# Allegro board OE19_pdb_1v01_b_0704_1000_customer.brd (continued)
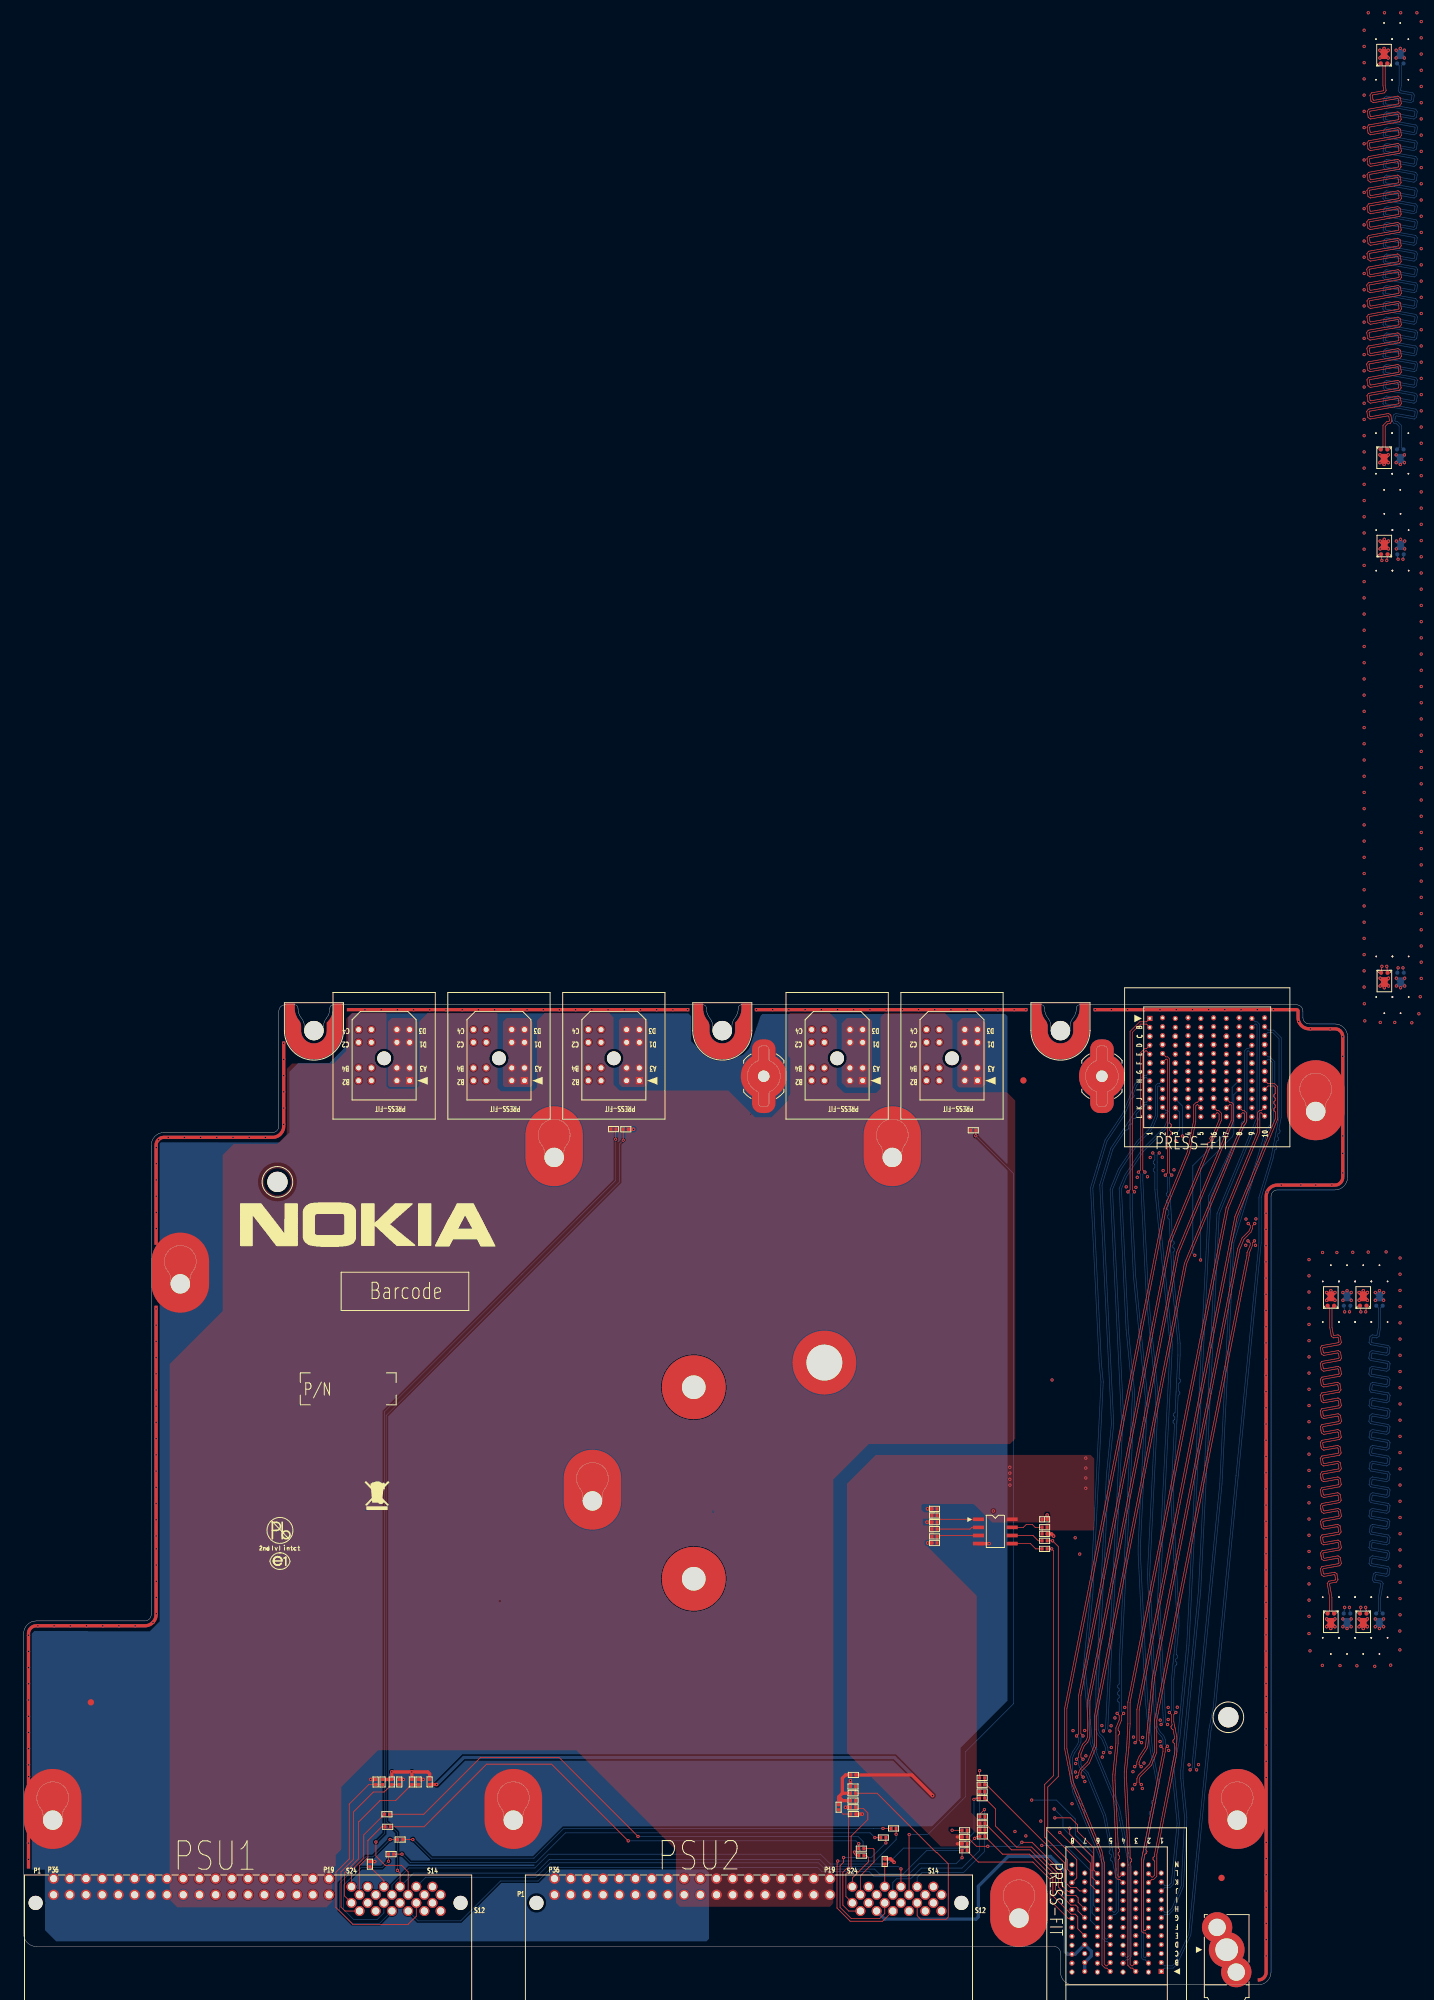
[diagram p0: board, top side]
## Nets
GND: C1046.2(B) H1.1 H2.1 H3.1 H4.1 H5.1 H6.1 H7.1 H8.1 H9.1 H15.1 J1.A2 J1.A4 J1.A6 J1.A8 J1.A10 J1.C1 J1.C3 J1.C5 J1.C7 J1.C9 J1.D2 J1.D4 J1.D6 J1.D8 J1.D10 J1.F1 J1.F3 J1.F5 J1.F7 J1.F9 J1.G2 J1.G4 J1.G6 J1.G8 J1.G10 J1.I1 J1.I3 J1.I5 J1.I7 J1.I9 J1.J2 J1.J4 J1.J6 J1.J8 J1.J10 J1.L1 J1.L3 J1.L5 J1.L7 J1.L9 J2.A1 J2.A2 J2.A3 J2.A4 J2.D1 J2.D2 J2.D3 J2.D4 J3.A1 J3.A2 J3.A3 J3.A4 J3.D1 J3.D2 J3.D3 J3.D4 J4.A1 J4.A2 J4.A3 J4.A4 J4.D1 J4.D2 J4.D3 J4.D4 J5.A1 J5.A2 J5.A3 J5.A4 J5.D1 J5.D2 J5.D3 J5.D4 J6.G1 J7.G1 J8.1 J8.2 J8.3 J9.A2 J9.A4 J9.A8 J9.C1 J9.C3 J9.C5 J9.C7 J9.D2 J9.D4 J9.D8 J9.F1 J9.F3 J9.F5 J9.F7 J9.G2 J9.G4 J9.I1 J9.I3 J9.I5 J9.I7 J9.J2 J9.J4 J9.L1 J9.L3 J9.L5 J9.M2 J9.M4 J9.M6 J9.M8 J10.A1 J10.A2 J10.A3 J10.A4 J10.D1 J10.D2 J10.D3 J10.D4 JP1.P1(P1_GND) JP1.P2(P2_GND) JP1.P3(P3_GND) JP1.P4(P4_GND) JP1.P5(P5_GND) JP1.P6(P6_GND) JP1.P7(P7_GND) JP1.P8(P8_GND) JP1.P9(P9_GND) JP1.P10(P10_GND) JP1.P29(P29_GND) JP1.P30(P30_GND) JP1.P31(P31_GND) JP1.P32(P32_GND) JP1.P33(P33_GND) JP1.P34(P34_GND) JP1.P35(P35_GND) JP1.P36(P36_GND) JP1.S10(S10_GND) JP1.S11(S11_GND) JP1.S12(S12_GND) JP1.S13(GND_S13) JP1.S14(GND_S14) JP1.S15(GND_S15) JP2.P1(P1_GND) JP2.P2(P2_GND) JP2.P3(P3_GND) JP2.P4(P4_GND) JP2.P5(P5_GND) JP2.P6(P6_GND) JP2.P7(P7_GND) JP2.P8(P8_GND) JP2.P9(P9_GND) JP2.P10(P10_GND) JP2.P29(P29_GND) JP2.P30(P30_GND) JP2.P31(P31_GND) JP2.P32(P32_GND) JP2.P33(P33_GND) JP2.P34(P34_GND) JP2.P35(P35_GND) JP2.P36(P36_GND) JP2.S10(S10_GND) JP2.S11(S11_GND) JP2.S12(S12_GND) JP2.S13(GND_S13) JP2.S14(GND_S14) JP2.S15(GND_S15) R21.2(B) R24.2(B) R25.2(B) R32.2(B) R37.2(B) R39.2(B) R40.2(B) R41.2(B) R324.2(B) R1116.2(B) R1119.2(B) R1121.2(B) R2298.2(B) U32.4(VSS)
P3V3_PSU1_ADDR: R2.2(B) R13.1(A) R15.1(A) R2297.1(A)
P3V3_PSU2_ADDR: R1.1(A) R3.1(A) R4.2(B) R23.1(A)
P3V3_RMC_STBY: C1046.1(A) J1.K4 J1.L4 J9.B8 R2.1(A) R4.1(A) R28.1(A) R29.1(A) R30.1(A) R31.1(A) R33.1(A) R35.1(A) R1112.1(A) R1115.1(A) R1118.1(A) R1120.1(A) U32.8(VCC)
P12V_PSU: J2.B1 J2.B2 J2.B3 J2.B4 J2.C1 J2.C2 J2.C3 J2.C4 J3.B1 J3.B2 J3.B3 J3.B4 J3.C1 J3.C2 J3.C3 J3.C4 J4.B1 J4.B2 J4.B3 J4.B4 J4.C1 J4.C2 J4.C3 J4.C4 J5.B1 J5.B2 J5.B3 J5.B4 J5.C1 J5.C2 J5.C3 J5.C4 J10.B1 J10.B2 J10.B3 J10.B4 J10.C1 J10.C2 J10.C3 J10.C4 JP1.P11(P11_V1) JP1.P12(P12_V1) JP1.P13(P13_V1) JP1.P14(P14_V1) JP1.P15(P15_V1) JP1.P16(P16_V1) JP1.P17(P17_V1) JP1.P18(P18_V1) JP1.P19(P19_V1) JP1.P20(P20_V1) JP1.P21(P21_V1) JP1.P22(P22_V1) JP1.P23(P23_V1) JP1.P24(P24_V1) JP1.P25(P25_V1) JP1.P26(P26_V1) JP1.P27(P27_V1) JP1.P28(P28_V1) JP2.P11(P11_V1) JP2.P12(P12_V1) JP2.P13(P13_V1) JP2.P14(P14_V1) JP2.P15(P15_V1) JP2.P16(P16_V1) JP2.P17(P17_V1) JP2.P18(P18_V1) JP2.P19(P19_V1) JP2.P20(P20_V1) JP2.P21(P21_V1) JP2.P22(P22_V1) JP2.P23(P23_V1) JP2.P24(P24_V1) JP2.P25(P25_V1) JP2.P26(P26_V1) JP2.P27(P27_V1) JP2.P28(P28_V1) R26.1(A) R27.1(A)
P12V_PSU_STBY: J9.A7 J9.B7 J9.C8 J9.D7 JP1.S3(S3_VSB) JP1.S4(S4_VSB) JP1.S21(VSB_S21) JP1.S22(VSB_S22) JP2.S3(S3_VSB) JP2.S4(S4_VSB) JP2.S21(VSB_S21) JP2.S22(VSB_S22)
DELTA_L_85_5INCH_BOT_DN: J12.1 J18.2
DELTA_L_85_5INCH_BOT_DP: J12.2 J18.1
DELTA_L_85_5INCH_IN1_DN: J15.1 J21.2
DELTA_L_85_5INCH_IN1_DP: J15.2 J21.1
DELTA_L_85_5INCH_IN2_DN: J13.1 J19.2
DELTA_L_85_5INCH_IN2_DP: J13.2 J19.1
DELTA_L_85_5INCH_TOP_DN: J14.1 J20.2
DELTA_L_85_5INCH_TOP_DP: J14.2 J20.1
DELTA_L_85_10INCH_BOT_DN: J24.1 J30.2
DELTA_L_85_10INCH_BOT_DP: J24.2 J30.1
DELTA_L_85_10INCH_IN1_DN: J27.1 J33.2
DELTA_L_85_10INCH_IN1_DP: J27.2 J33.1
DELTA_L_85_10INCH_IN2_DN: J25.1 J31.2
DELTA_L_85_10INCH_IN2_DP: J25.2 J31.1
DELTA_L_85_10INCH_TOP_DN: J26.1 J32.2
DELTA_L_85_10INCH_TOP_DP: J26.2 J32.1
FM_BBU_PRSNT_N: J1.B7 J9.I8
FM_BMC_SLED1_READY_N: J1.C8 J9.E6
FM_BMC_SLED2_READY_N: J1.H3 J9.F6
FM_BMC_SLED3_READY_N: J1.F8 J9.G6
FM_BMC_SLED4_READY_N: J1.K3 J9.H6
FM_BMC_SLED5_READY_N: J1.I8 J9.I6
FM_PSU1_PRSNT_N: J9.G8 R18.2(B) R33.2(B)
FM_PSU1_PRSNT_R_N: JP1.S8(S8_PRESENT_L) R18.1(A)
FM_PSU2_PRSNT_N: J9.J8 R19.2(B) R35.2(B)
FM_PSU2_PRSNT_R_N: JP2.S8(S8_PRESENT_L) R19.1(A)
FM_RMC_GPIO_0: J1.F6 J9.J6
FM_RMC_GPIO_1: J1.H6 J9.K6
FM_RMC_GPIO_2: J1.I6 J9.L6
FM_SLED1_PRSNT_N: J1.B8 J9.L7
FM_SLED2_PRSNT_N: J1.G3 J9.A6
FM_SLED3_PRSNT_N: J1.E8 J9.B6
FM_SLED4_PRSNT_N: J1.J3 J9.C6
FM_SLED5_PRSNT_N: J1.H8 J9.D6
FRU_A0: R1118.2(B) R1119.1(A) U32.1(DU)
FRU_A1: R1115.2(B) R1116.1(A) U32.2(E1)
FRU_A2: R324.1(A) R1112.2(B) U32.3(E2)
FRU_WP: R1120.2(B) R1121.1(A) U32.7(WC_N)
IRQ_PSU1_ALERT_N: J9.H7 R12.2(B) R28.2(B)
IRQ_PSU1_ALERT_R_N: JP1.S19(SMB_ALERT_L_S19) R12.1(A)
IRQ_PSU2_ALERT_N: J9.J7 R14.2(B) R30.2(B)
IRQ_PSU2_ALERT_R_N: JP2.S19(SMB_ALERT_L_S19) R14.1(A)
IRQ_RMC_ALERT_N: J1.E6 J9.K7
LAN_SLED1_MDIN0: J1.C10 J9.B1
LAN_SLED1_MDIN1: J1.E10 J9.E1
LAN_SLED1_MDIN2: J1.B9 J9.H1
LAN_SLED1_MDIN3: J1.E9 J9.J1
LAN_SLED1_MDIP0: J1.B10 J9.A1
LAN_SLED1_MDIP1: J1.F10 J9.D1
LAN_SLED1_MDIP2: J1.A9 J9.G1
LAN_SLED1_MDIP3: J1.D9 J9.K1
LAN_SLED2_MDIN0: J1.B1 J9.C2
LAN_SLED2_MDIN1: J1.E1 J9.F2
LAN_SLED2_MDIN2: J1.C2 J9.I2
LAN_SLED2_MDIN3: J1.F2 J9.L2
LAN_SLED2_MDIP0: J1.A1 J9.B2
LAN_SLED2_MDIP1: J1.D1 J9.E2
LAN_SLED2_MDIP2: J1.B2 J9.H2
LAN_SLED2_MDIP3: J1.E2 J9.K2
LAN_SLED3_MDIN0: J1.K10 J9.A3
LAN_SLED3_MDIN1: J1.H10 J9.E3
LAN_SLED3_MDIN2: J1.H9 J9.H3
LAN_SLED3_MDIN3: J1.J9 J9.J3
LAN_SLED3_MDIP0: J1.L10 J9.B3
LAN_SLED3_MDIP1: J1.I10 J9.D3
LAN_SLED3_MDIP2: J1.G9 J9.G3
LAN_SLED3_MDIP3: J1.K9 J9.K3
LAN_SLED4_MDIN0: J1.H1 J9.B4
LAN_SLED4_MDIN1: J1.K1 J9.E4
LAN_SLED4_MDIN2: J1.I2 J9.I4
LAN_SLED4_MDIN3: J1.L2 J9.K4
LAN_SLED4_MDIP0: J1.G1 J9.C4
LAN_SLED4_MDIP1: J1.J1 J9.F4
LAN_SLED4_MDIP2: J1.H2 J9.H4
LAN_SLED4_MDIP3: J1.K2 J9.L4
LAN_SLED5_MDIN0: J1.K5 J9.B5
LAN_SLED5_MDIN1: J1.K6 J9.E5
LAN_SLED5_MDIN2: J1.K7 J9.H5
LAN_SLED5_MDIN3: J1.L8 J9.K5
LAN_SLED5_MDIP0: J1.J5 J9.A5
LAN_SLED5_MDIP1: J1.L6 J9.D5
LAN_SLED5_MDIP2: J1.J7 J9.G5
LAN_SLED5_MDIP3: J1.K8 J9.J5
NC_PSU1_S7: JP1.S7(S7_RESERVED)
NC_PSU2_S7: JP2.S7(S7_RESERVED)
PD_PSU1_A0: JP1.S1(S1_A0) R2297.2(B) R2298.1(A)
PD_PSU1_A1: JP1.S2(S2_A1) R13.2(B) R21.1(A)
PD_PSU1_A2: JP1.S9(S9_A2) R15.2(B) R24.1(A)
PD_PSU1_PSON_N: JP1.S20(PSON_L_S20) R39.1(A)
PD_PSU2_A0: JP2.S1(S1_A0) R23.2(B) R25.1(A)
PD_PSU2_A1: JP2.S2(S2_A1) R1.2(B) R37.1(A)
PD_PSU2_A2: JP2.S9(S9_A2) R3.2(B) R40.1(A)
PD_PSU2_PSON_N: JP2.S20(PSON_L_S20) R41.1(A)
PSU1_HOTSTANDBYEN_H: JP1.S5(S5_HOTSTBYEN_H) R38.2(B)
PSU1_ISHARE: JP1.S6(S6_ISHARE) R5.2(B)
PSU1_REMOTE_SENSE_P: JP1.S17(V1_SENSE_S17) R26.2(B)
PSU2_HOTSTANDBYEN_H: JP2.S5(S5_HOTSTBYEN_H) R6.2(B)
PSU2_ISHARE: JP2.S6(S6_ISHARE) R7.2(B)
PSU2_REMOTE_SENSE_P: JP2.S17(V1_SENSE_S17) R27.2(B)
PSU_HOTSTANDBYEN_H: R6.1(A) R38.1(A)
PSU_ISHARE: R5.1(A) R7.1(A)
PSU_REMOTE_SENSE_R: JP1.S18(V1_SENSE_R_S18) JP2.S18(V1_SENSE_R_S18) R32.1(A)
PWR_PSU1_PWROK: J9.E7 R16.2(B) R29.2(B)
PWR_PSU1_PWROK_R: JP1.S16(PWOK_H_S16) R16.1(A)
PWR_PSU2_PWROK: J9.G7 R17.2(B) R31.2(B)
PWR_PSU2_PWROK_R: JP2.S16(PWOK_H_S16) R17.1(A)
SMB_BBU_ALERT_N: J1.A7 J9.H8
SMB_PDB_FRU_SCL: R1126.1(A) U32.6(SCL)
SMB_PDB_FRU_SDA: R1127.1(A) U32.5(SDA)
SMB_PMBUS_SCL: J1.D7 J9.E8 R8.2(B) R10.2(B)
SMB_PMBUS_SDA: J1.E7 J9.F8 R9.2(B) R11.2(B)
SMB_PSU1_SCL: JP1.S23(SCL_S23) R8.1(A)
SMB_PSU1_SDA: JP1.S24(SDA_S24) R9.1(A)
SMB_PSU2_SCL: JP2.S23(SCL_S23) R10.1(A)
SMB_PSU2_SDA: JP2.S24(SDA_S24) R11.1(A)
SMB_SLED_COMBINE_SCL: J1.G5 J9.K8 R1126.2(B)
SMB_SLED_COMBINE_SDA: J1.H5 J9.L8 R1127.2(B)
TGND: J12.3 J13.3 J14.3 J15.3 J18.3 J19.3 J20.3 J21.3 J24.3 J25.3 J26.3 J27.3 J30.3 J31.3 J32.3 J33.3

Pads without a net: DM2 1; DM3 1; DM4 1; DM6 1; DM7 1; DM8 1; H10 1; H11 1; J1 A3 A5 B3 B4 B5 B6 C4 C6 D3 D5 E3 E4 E5 F4 G7 H4 H7 I4; NOREF#19 1; NOREF#71 1; NOREF#89 1

## Via types
v1: diameter 0.508, hole 0.254, TOP to BOTTOM, 608 vias

## Routing (per net, layer and track width the routed paths; a pad name or vN(x,y) marks a point on that pad's centre or on a via; arc(x,y) is an arc through that point)
GND: length 13.8
  TOP w0.508: R21.2 v1(59.52,32.17) ; C1046.2 v1(160.42,73.59) ; R324.2 v1(141.68,69.2) ; R32.2 v1(95.6,134.01) ; R39.2 v1(55.03,19.3) ; U32.4 v1(151.32,69.11) ; R1116.2 v1(141.58,72.46) ; v1(161.43,70.29) 161.09,70.63 R1121.2 ; R1119.2 v1(141.65,74.55) ; R37.2 v1(131.45,26.74) ; R25.2 v1(128.8,27.81) ; R41.2 135.88,19.73 v1(136.42,19.18) ; R24.2 v1(54.41,32.17) ; R2298.2 v1(62.62,32.17) ; R40.2 v1(129.59,31.99)
  vias: v1(0.77,54.77) v1(0.77,52.23) v1(0.77,49.69) v1(0.77,47.15) v1(0.77,44.61) v1(0.77,42.07) v1(0.77,39.53) v1(0.77,36.99) v1(0.77,34.45) v1(0.79,32.61) v1(0.76,22.2) v1(0.76,19.66) v1(2.24,56.23) v1(4.78,56.23) v1(7.32,56.23) v1(9.86,56.23) v1(12.4,56.23) v1(14.94,56.23) v1(17.48,56.23) v1(20.27,56.76) v1(20.79,131.14) v1(20.79,128.6) v1(20.79,126.06) v1(20.79,123.52) v1(20.79,120.98) v1(20.79,118.44) v1(20.77,105.87) v1(20.77,103.33) v1(20.77,100.79) v1(20.77,98.25) v1(20.77,95.71) v1(20.77,93.17) v1(20.77,90.63) v1(20.77,88.09) v1(20.77,85.55) v1(20.77,83.01) v1(20.77,80.47) v1(20.77,77.93) v1(20.77,75.39) v1(20.77,72.85) v1(20.77,70.31) v1(20.79,68.29) v1(20.79,65.75) v1(20.79,63.21) v1(20.79,60.67) v1(20.79,58.13) v1(21.17,132.37) v1(22.65,132.72) v1(25.19,132.72) v1(27.73,132.72) v1(30.27,132.72) v1(32.81,132.72) v1(35.35,132.72) v1(37.89,132.72) v1(40.76,147.48) v1(40.76,144.94) v1(40.76,142.4) v1(40.76,139.86) v1(40.76,137.32) v1(40.76,134.78) v1(53.5,152.72) v1(56.04,152.72) v1(58.58,152.72) v1(61.12,152.72) v1(63.66,152.72) v1(66.2,152.72) v1(68.74,152.72) v1(71.28,152.72) v1(73.82,152.72) v1(76.36,152.72) v1(78.9,152.72) v1(81.44,152.72) v1(83.98,152.72) v1(86.52,152.72) v1(89.06,152.72) v1(91.6,152.72) v1(94.14,152.72) v1(96.68,152.72) v1(99.22,152.72) v1(101.76,152.72) v1(104.06,152.73) v1(114.86,152.73) v1(117.4,152.73) v1(119.94,152.73) v1(122.48,152.73) v1(125.02,152.73) v1(127.56,152.73) v1(130.1,152.73) v1(132.64,152.73) v1(135.18,152.73) v1(137.72,152.73) v1(140.26,152.73) v1(142.8,152.73) v1(145.34,152.73) v1(147.88,152.73) v1(150.42,152.73) v1(152.7,152.72) v1(155.24,152.72) v1(157.08,152.73) v1(164.47,39.82) v1(164.88,34.66) v1(164.85,33.33) v1(166.3,39.84) v1(166.31,31.84) v1(166.48,35.87) v1(167.94,152.73) v1(168.99,40.61) v1(169.07,35.67) v1(170.43,40.58) v1(170.48,152.73) v1(170.46,37.18) v1(171.03,41.81) v1(172.57,43.45) v1(172.8,124.98) v1(173.02,152.73) v1(173.79,30.67) v1(173.95,38.8) v1(173.86,33.39) v1(174.32,124.9) v1(174.54,126.49) v1(175.33,30.75) v1(175.38,38.76) v1(175.56,152.73) v1(175.58,34.73) v1(176.14,126.57) v1(176.57,129.58) v1(178.1,152.73) v1(178.14,41.46) v1(178.11,38.12) v1(178.46,129.62) v1(178.58,127.53) v1(179.38,43.45) v1(179.38,41.56) v1(179.46,36.72) v1(180.29,127.66) v1(180.64,152.73) v1(180.81,43.48) v1(182.66,34.46) v1(183.18,152.73) v1(184.13,34.49) v1(185.72,152.73) v1(188.26,152.73) v1(190.8,152.73) v1(191.54,115.83) v1(191.57,119.94) v1(193.13,119.97) v1(193.07,115.83) v1(193.34,152.73) v1(194.72,120.86) v1(194.72,118.32) v1(194.72,115.78) v1(194.72,113.24) v1(194.72,110.7) v1(194.72,108.16) v1(194.72,105.62) v1(194.72,103.08) v1(194.72,100.54) v1(194.72,98) v1(194.72,95.46) v1(194.72,92.92) v1(194.72,90.38) v1(194.72,87.84) v1(194.72,85.3) v1(194.72,82.76) v1(194.72,80.22) v1(194.72,77.68) v1(194.72,75.14) v1(194.72,72.6) v1(194.72,70.06) v1(194.72,67.52) v1(194.72,64.98) v1(194.72,62.44) v1(194.72,59.9) v1(194.72,57.36) v1(194.72,54.82) v1(194.72,52.28) v1(194.72,49.74) v1(194.72,47.2) v1(194.74,45.17) v1(194.74,42.63) v1(194.74,40.09) v1(194.74,37.55) v1(194.74,35.01) v1(194.74,32.47) v1(194.74,22.31) v1(194.74,19.77) v1(194.74,17.23) v1(194.74,14.69) v1(194.74,12.15) v1(194.74,9.61) v1(194.74,7.07) v1(194.74,4.53) v1(194.87,124.17) v1(195.88,152.73) v1(197.12,125.26) v1(198.42,152.73) v1(199.84,150.9) v1(200.18,125.28) v1(201.66,149.73) v1(202.51,125.26) v1(204.77,149.71) v1(205.03,125.26) v1(206.74,148.49) v1(206.74,145.43) v1(206.74,132.95) v1(206.74,130.24) v1(206.74,127.16)
P3V3_PSU1_ADDR: length 10.7
  TOP w0.508: R15.1 R13.1 57.71,32.18 v1(57.71,33.35) v1(60.84,33.35) ; R2.2 63.63,33.05 63.33,33.35 v1(60.84,33.35) ; R2297.1 v1(60.84,33.35)
P3V3_PSU2_ADDR: length 9.2
  TOP w0.508: R4.2 128.83,32.87 128.32,32.37 128.32,30.01 ; 127.73,29.22 R1.1 ; 127.73,29.22 127.73,29.41 128.32,30.01 ; 127.73,29.22 127.98,29.22 128.35,28.85 R23.1 ; 128.32,30.01 R3.1
P3V3_RMC_STBY: length 136.4
  TOP w0.508: R4.1 139.21,32.87 v1(142.46,29.63) ; R2.1 v1(64.73,31.38) ; R35.1 146.33,23.16 ; R33.1 146.34,22.1
  IN1 w0.508: J9.B8 163.55,3.4 163.54,3.39 163.27,3.65 163.27,12.98 163.43,13.14 150.67,25.9 146.19,25.9 v1(142.46,29.63)
  BOTTOM w0.508: v1(64.73,31.38) 68.96,35.61 136.48,35.61 v1(142.46,29.63)
  vias: v1(151.99,74.21) v1(154.57,81.07) v1(154.57,80.15) v1(154.57,79.18) v1(154.58,78.27) v1(166.47,82.5) v1(166.47,80.94) v1(166.47,79.39) v1(166.47,77.78)
P12V_PSU_STBY: length 59.4
  BOTTOM w0.508: J9.A7 J9.B7 167.34,4.54 167.34,5.26 J9.D7 164.8,4.8 J9.C8 163.63,4.8 163.27,5.16 163.27,17.77 160.93,20.11 154.3,20.11 149.63,15.44 149.63,10.66 149.27,10.3 134.95,10.3 JP2.S4
DELTA_L_85_5INCH_BOT_DN: length 127
  BOTTOM w0.099: J18.2 212.67,106.04 212.67,102.95 212.43,101.57 212.08,101.33 211.45,101.44 211.34,101.35 211.22,100.7 211.3,100.58 213.91,100.12 214.16,99.77 213.99,98.83 213.64,98.58 211.42,98.97 211.31,98.89 211.19,98.23 211.27,98.12 213.92,97.65 214.17,97.29 214,96.35 213.65,96.1 211.43,96.49 211.31,96.41 211.2,95.76 211.28,95.64 213.91,95.18 214.16,94.82 213.99,93.88 213.64,93.63 211.51,94.01 211.39,93.93 211.28,93.27 211.36,93.16 213.92,92.7 214.17,92.35 214,91.41 213.65,91.16 211.45,91.55 211.34,91.46 211.22,90.81 211.3,90.69 213.91,90.23 214.16,89.88 214.11,89.57 214.08,89.41 214.05,89.24 214,88.93 213.64,88.69 211.43,89.08 211.32,89 211.2,88.34 211.28,88.22 213.9,87.76 214.15,87.41 214.1,87.1 214.07,86.93 214.04,86.77 214.04,86.77 213.98,86.46 213.63,86.21 211.46,86.6 211.34,86.52 211.23,85.86 211.31,85.75 213.91,85.29 214.16,84.93 214.1,84.63 214.07,84.46 214.04,84.3 213.99,83.99 213.64,83.74 211.48,84.12 211.37,84.04 211.25,83.38 211.33,83.27 213.92,82.81 214.17,82.46 214,81.51 213.65,81.27 211.46,81.65 211.34,81.57 211.23,80.92 211.31,80.8 213.91,80.34 214.16,79.99 214.11,79.68 214.08,79.51 214.08,79.51 214.05,79.35 213.99,79.04 213.64,78.8 211.47,79.18 211.35,79.1 211.24,78.44 211.32,78.33 213.91,77.87 214.16,77.51 213.99,76.57 213.64,76.32 211.48,76.7 211.36,76.62 211.25,75.97 211.33,75.85 213.91,75.4 214.16,75.04 214.1,74.73 214.08,74.57 214.05,74.41 214.05,74.41 213.99,74.1 213.64,73.85 211.44,74.24 211.33,74.16 211.21,73.5 211.29,73.39 213.88,72.93 214.13,72.57 214.07,72.27 214.05,72.1 214.02,71.94 213.96,71.63 213.61,71.38 211.49,71.76 211.37,71.68 211.26,71.02 211.34,70.9 213.92,70.45 214.16,70.09 214,69.15 213.64,68.9 211.45,69.29 211.33,69.21 211.22,68.55 211.3,68.44 213.87,67.99 214.12,67.63 214.06,67.32 214.03,67.16 214,67 213.95,66.69 213.6,66.44 211.45,66.82 211.34,66.74 211.22,66.08 211.3,65.97 213.9,65.51 214.15,65.15 213.98,64.21 213.63,63.96 211.98,64.25 211.87,64.17 211.75,63.51 211.83,63.4 212.83,63.22 213.07,62.87 212.67,60.57 212.67,58.49 J12.1
DELTA_L_85_5INCH_BOT_DP: length 127
  BOTTOM w0.099: J18.1 212.32,106.04 212.32,102.98 212.11,101.78 211.99,101.7 211.37,101.81 211.02,101.56 210.85,100.61 211.1,100.26 213.7,99.8 213.78,99.69 213.67,99.03 213.55,98.95 211.34,99.34 210.99,99.09 210.82,98.15 211.07,97.79 213.71,97.33 213.79,97.21 213.68,96.56 213.56,96.48 211.35,96.87 210.99,96.62 210.83,95.67 211.07,95.32 213.7,94.86 213.78,94.74 213.67,94.09 213.55,94.01 211.43,94.38 211.07,94.13 210.91,93.19 211.15,92.83 213.71,92.38 213.79,92.27 213.68,91.61 213.56,91.53 211.37,91.92 211.01,91.67 210.85,90.72 211.09,90.37 213.71,89.91 213.79,89.79 213.67,89.14 213.56,89.06 211.35,89.45 210.99,89.2 210.83,88.26 211.08,87.9 213.7,87.44 213.78,87.32 213.66,86.67 213.55,86.59 211.38,86.97 211.02,86.72 210.85,85.78 211.1,85.42 213.7,84.97 213.78,84.85 213.67,84.2 213.55,84.11 211.4,84.49 211.05,84.25 210.88,83.3 211.13,82.95 213.72,82.49 213.8,82.38 213.68,81.72 213.57,81.64 211.38,82.03 211.02,81.78 210.85,80.83 211.1,80.48 213.71,80.02 213.79,79.9 213.67,79.25 213.56,79.17 211.38,79.55 211.03,79.3 210.86,78.36 211.11,78 213.71,77.55 213.79,77.43 213.67,76.78 213.55,76.7 211.4,77.08 211.04,76.83 210.87,75.88 211.12,75.53 213.71,75.07 213.79,74.96 213.67,74.3 213.56,74.22 211.36,74.61 211,74.36 210.84,73.42 211.09,73.06 213.68,72.61 213.76,72.49 213.64,71.84 213.53,71.76 211.41,72.13 211.05,71.88 210.88,70.94 211.13,70.58 213.71,70.13 213.79,70.01 213.67,69.36 213.56,69.28 211.36,69.66 211.01,69.42 210.84,68.47 211.09,68.12 213.66,67.66 213.74,67.55 213.63,66.89 213.51,66.81 211.37,67.19 211.02,66.94 210.85,66 211.1,65.64 213.69,65.18 213.77,65.07 213.66,64.41 213.54,64.33 211.9,64.62 211.55,64.38 211.38,63.43 211.63,63.08 212.62,62.9 212.7,62.79 212.31,60.6 212.31,58.49 J12.2
DELTA_L_85_5INCH_IN1_DN: length 127
  IN1 w0.114: v1(207.79,59.12) 207.61,59.3 207.61,61.04 208.42,61.85 208.54,62.55 208.25,62.97 206.24,63.32 206.14,63.46 206.26,64.1 206.39,64.19 208.48,63.82 208.93,64.13 209.17,65.48 208.86,65.93 206.21,66.39 206.12,66.53 206.23,67.17 206.37,67.26 208.55,66.88 208.97,67.17 209.15,68.16 208.85,68.58 206.22,69.04 206.13,69.18 206.24,69.82 206.38,69.91 208.48,69.54 208.91,69.84 209.08,70.82 208.79,71.24 206.2,71.7 206.11,71.83 206.22,72.47 206.36,72.57 208.54,72.18 208.96,72.48 209.14,73.46 208.84,73.89 206.2,74.35 206.1,74.49 206.22,75.13 206.35,75.22 208.58,74.83 209,75.12 209.18,76.11 208.88,76.53 206.18,77.01 206.09,77.14 206.2,77.78 206.34,77.88 208.57,77.48 208.99,77.78 209.16,78.77 208.87,79.19 206.15,79.67 206.06,79.8 206.17,80.44 206.3,80.54 208.61,80.13 209.03,80.42 209.21,81.41 208.91,81.83 206.2,82.31 206.1,82.44 206.22,83.09 206.35,83.18 208.57,82.79 208.99,83.08 209.16,84.07 208.87,84.49 206.14,84.97 206.05,85.11 206.16,85.75 206.29,85.84 208.63,85.43 209.06,85.72 209.23,86.71 208.93,87.13 206.15,87.62 206.06,87.76 206.17,88.4 206.31,88.49 208.57,88.09 208.99,88.39 209.17,89.37 208.87,89.8 206.23,90.26 206.13,90.4 206.25,91.04 206.38,91.13 208.6,90.74 209.02,91.04 209.2,92.02 208.9,92.45 206.22,92.92 206.13,93.05 206.24,93.69 206.38,93.78 208.63,93.39 209.05,93.68 209.22,94.67 208.93,95.09 206.15,95.58 206.05,95.72 206.17,96.36 206.3,96.45 208.67,96.03 209.13,96.36 209.29,97.28 208.97,97.74 206.14,98.24 206.05,98.37 206.16,99.01 206.29,99.1 208.7,98.68 209.12,98.98 209.3,99.96 209,100.39 206.19,100.88 206.1,101.01 206.21,101.65 206.35,101.75 207.02,101.63 207.44,101.92 207.65,103.06 207.65,105.25 v1(207.8,105.41)
  BOTTOM w0.099: J15.1 v1(207.79,59.12) ; J21.2 v1(207.8,105.41)
DELTA_L_85_5INCH_IN1_DP: length 127
  IN1 w0.114: v1(207.04,105.41) 207.22,105.22 207.22,103.1 207.05,102.17 206.92,102.08 206.24,102.2 205.82,101.9 205.65,100.91 205.94,100.49 208.75,100 208.85,99.86 208.73,99.22 208.6,99.13 206.19,99.56 205.77,99.26 205.59,98.27 205.89,97.85 208.72,97.35 208.84,97.18 208.74,96.61 208.57,96.48 206.2,96.9 205.78,96.61 205.6,95.62 205.9,95.2 208.68,94.7 208.77,94.57 208.66,93.93 208.53,93.84 206.28,94.24 205.85,93.94 205.68,92.95 205.98,92.53 208.65,92.06 208.74,91.92 208.63,91.28 208.5,91.19 206.28,91.58 205.86,91.29 205.68,90.3 205.98,89.88 208.63,89.41 208.72,89.28 208.6,88.64 208.47,88.54 206.21,88.94 205.79,88.65 205.61,87.66 205.91,87.24 208.69,86.74 208.78,86.61 208.67,85.97 208.53,85.88 206.19,86.29 205.77,86 205.6,85.01 205.89,84.59 208.62,84.1 208.71,83.97 208.6,83.33 208.47,83.24 206.25,83.63 205.83,83.33 205.65,82.34 205.95,81.92 208.66,81.44 208.75,81.31 208.64,80.67 208.51,80.58 206.2,80.99 205.78,80.69 205.6,79.7 205.9,79.28 208.62,78.8 208.71,78.67 208.6,78.03 208.47,77.93 206.24,78.33 205.81,78.03 205.64,77.04 205.94,76.62 208.63,76.14 208.73,76.01 208.62,75.37 208.48,75.28 206.25,75.67 205.83,75.38 205.65,74.39 205.95,73.96 208.59,73.5 208.69,73.36 208.57,72.73 208.44,72.63 206.26,73.02 205.83,72.72 205.66,71.73 205.96,71.31 208.54,70.85 208.63,70.72 208.52,70.08 208.38,69.99 206.28,70.36 205.85,70.07 205.68,69.08 205.98,68.65 208.6,68.19 208.7,68.06 208.58,67.42 208.45,67.33 206.27,67.71 205.84,67.41 205.67,66.43 205.96,66 208.61,65.54 208.72,65.38 208.54,64.38 208.38,64.27 206.29,64.64 205.87,64.34 205.69,63.35 205.99,62.93 208,62.58 208.09,62.45 208.02,62.05 207.18,61.21 207.18,59.27 v1(207.03,59.12)
  BOTTOM w0.099: J21.1 v1(207.04,105.41) ; J15.2 v1(207.03,59.12)
DELTA_L_85_5INCH_IN2_DN: length 127
  TOP w0.099: J19.2 v1(209.58,105.41) ; J13.1 v1(209.57,59.12)
  IN2 w0.114: v1(209.58,105.41) 209.74,105.24 209.74,103.04 209.94,101.9 210.37,101.6 211.04,101.72 211.18,101.63 211.29,100.99 211.2,100.85 208.44,100.37 208.15,99.94 208.32,98.96 208.74,98.66 211.04,99.07 211.17,98.97 211.28,98.33 211.19,98.2 208.48,97.72 208.16,97.26 208.32,96.34 208.78,96.02 211.1,96.42 211.23,96.33 211.35,95.69 211.25,95.56 208.47,95.07 208.18,94.64 208.35,93.66 208.77,93.36 211.01,93.76 211.14,93.66 211.25,93.02 211.16,92.89 208.49,92.42 208.19,91.99 208.37,91.01 208.79,90.71 211.04,91.11 211.18,91.02 211.29,90.37 211.2,90.24 208.54,89.77 208.25,89.35 208.42,88.37 208.84,88.07 211.04,88.46 211.17,88.36 211.29,87.72 211.19,87.59 208.49,87.11 208.2,86.69 208.37,85.7 208.79,85.41 211.04,85.8 211.17,85.71 211.29,85.07 211.19,84.94 208.53,84.47 208.24,84.04 208.41,83.06 208.83,82.76 211.04,83.15 211.17,83.06 211.29,82.42 211.19,82.28 208.47,81.8 208.17,81.38 208.35,80.39 208.77,80.1 211.08,80.51 211.21,80.41 211.33,79.77 211.24,79.64 208.52,79.16 208.22,78.74 208.26,78.56 208.4,77.75 208.82,77.46 211.1,77.86 211.23,77.76 211.35,77.12 211.25,76.99 208.49,76.5 208.19,76.08 208.36,75.09 208.79,74.8 211.08,75.2 211.22,75.11 211.33,74.47 211.24,74.33 208.54,73.86 208.25,73.44 208.42,72.45 208.84,72.15 211.05,72.54 211.18,72.45 211.3,71.81 211.21,71.68 208.55,71.21 208.26,70.79 208.43,69.8 208.86,69.5 211.07,69.89 211.2,69.8 211.32,69.16 211.22,69.03 208.49,68.54 208.19,68.12 208.37,67.14 208.79,66.84 211.04,67.24 211.18,67.14 211.29,66.5 211.2,66.37 208.53,65.9 208.22,65.45 208.46,64.1 208.9,63.79 211,64.16 211.13,64.07 211.24,63.43 211.15,63.29 209.14,62.94 208.84,62.51 208.96,61.81 209.75,61.02 209.75,59.3 v1(209.57,59.12)
DELTA_L_85_5INCH_IN2_DP: length 127
  TOP w0.099: J19.1 v1(210.34,105.41) ; J13.2 v1(210.33,59.12)
  IN2 w0.114: v1(210.33,59.12) 210.17,59.28 210.17,61.2 209.36,62.01 209.29,62.41 209.39,62.55 211.23,62.87 211.4,62.91 211.7,63.33 211.52,64.32 211.1,64.61 209,64.24 208.85,64.35 208.67,65.35 208.78,65.51 211.44,65.98 211.74,66.4 211.57,67.39 211.14,67.69 208.89,67.29 208.75,67.38 208.64,68.02 208.73,68.15 211.47,68.64 211.77,69.06 211.59,70.05 211.17,70.35 208.96,69.96 208.82,70.05 208.71,70.69 208.8,70.82 211.45,71.29 211.75,71.71 211.57,72.7 211.15,72.99 208.94,72.61 208.81,72.7 208.7,73.34 208.79,73.47 211.49,73.95 211.78,74.37 211.64,75.18 211.61,75.36 211.19,75.65 208.89,75.25 208.75,75.34 208.64,75.98 208.73,76.11 211.5,76.6 211.8,77.02 211.65,77.84 211.62,78.01 211.2,78.31 208.92,77.91 208.79,78 208.68,78.64 208.77,78.77 211.48,79.25 211.78,79.67 211.63,80.49 211.6,80.66 211.18,80.96 208.87,80.55 208.73,80.64 208.62,81.28 208.72,81.41 211.44,81.89 211.74,82.32 211.56,83.31 211.14,83.6 208.93,83.21 208.8,83.31 208.69,83.94 208.78,84.08 211.44,84.55 211.74,84.97 211.56,85.96 211.14,86.26 208.89,85.86 208.76,85.95 208.65,86.59 208.74,86.72 211.44,87.2 211.74,87.62 211.56,88.61 211.14,88.91 208.94,88.52 208.81,88.61 208.7,89.25 208.79,89.38 211.44,89.85 211.74,90.27 211.57,91.26 211.14,91.56 208.89,91.16 208.76,91.26 208.64,91.89 208.74,92.03 211.41,92.5 211.71,92.92 211.53,93.91 211.11,94.21 208.87,93.81 208.74,93.91 208.63,94.54 208.72,94.68 211.5,95.17 211.8,95.59 211.62,96.58 211.2,96.88 208.89,96.47 208.71,96.59 208.61,97.16 208.73,97.33 211.44,97.81 211.73,98.23 211.56,99.22 211.14,99.52 208.84,99.11 208.71,99.21 208.6,99.84 208.69,99.98 211.44,100.46 211.74,100.89 211.56,101.87 211.14,102.17 210.47,102.05 210.33,102.14 210.17,103.07 210.17,105.24 v1(210.34,105.41)
DELTA_L_85_5INCH_TOP_DN: length 127
  TOP w0.099: J14.1 204.69,58.49 204.69,60.63 204.3,62.87 204.55,63.22 205.54,63.4 205.62,63.51 205.5,64.17 205.39,64.25 203.75,63.96 203.39,64.21 203.23,65.15 203.47,65.51 206.07,65.97 206.15,66.08 206.03,66.74 205.92,66.82 203.78,66.44 203.42,66.69 203.37,67 203.34,67.16 203.31,67.32 203.26,67.63 203.5,67.99 206.08,68.44 206.16,68.55 206.04,69.21 205.93,69.29 203.73,68.9 203.38,69.15 203.21,70.1 203.46,70.45 206.03,70.9 206.11,71.02 206,71.68 205.88,71.76 203.76,71.38 203.41,71.63 203.36,71.94 203.33,72.1 203.3,72.27 203.24,72.57 203.49,72.93 206.08,73.39 206.16,73.5 206.05,74.16 205.93,74.24 203.73,73.85 203.38,74.1 203.33,74.41 203.3,74.57 203.27,74.73 203.21,75.04 203.46,75.4 206.04,75.85 206.12,75.97 206.01,76.62 205.89,76.7 203.73,76.32 203.38,76.57 203.21,77.51 203.46,77.87 206.06,78.33 206.14,78.44 206.02,79.1 205.91,79.18 203.73,78.8 203.38,79.04 203.32,79.35 203.3,79.51 203.27,79.68 203.21,79.99 203.46,80.34 206.06,80.8 206.14,80.92 206.03,81.57 205.91,81.65 203.72,81.27 203.37,81.51 203.2,82.46 203.45,82.81 206.04,83.27 206.12,83.38 206,84.04 205.89,84.12 203.74,83.74 203.38,83.99 203.33,84.3 203.3,84.46 203.27,84.63 203.22,84.93 203.46,85.29 206.06,85.75 206.14,85.86 206.03,86.52 205.91,86.6 203.74,86.21 203.39,86.46 203.33,86.77 203.33,86.77 203.3,86.93 203.27,87.1 203.22,87.41 203.47,87.76 206.09,88.22 206.17,88.34 206.06,89 205.94,89.08 203.73,88.69 203.38,88.93 203.32,89.24 203.29,89.41 203.26,89.57 203.21,89.88 203.46,90.23 206.07,90.69 206.15,90.81 206.04,91.46 205.92,91.55 203.73,91.16 203.37,91.41 203.2,92.35 203.45,92.7 206.01,93.16 206.09,93.27 205.98,93.93 205.86,94.01 203.74,93.63 203.38,93.88 203.22,94.82 203.46,95.18 206.09,95.64 206.17,95.76 206.06,96.41 205.94,96.49 203.73,96.1 203.37,96.35 203.21,97.29 203.45,97.65 206.1,98.12 206.18,98.23 206.06,98.89 205.95,98.97 203.74,98.58 203.38,98.83 203.22,99.77 203.46,100.12 206.07,100.58 206.15,100.7 206.03,101.35 205.92,101.44 205.3,101.33 204.94,101.57 204.7,102.95 204.7,106.04 J20.2
DELTA_L_85_5INCH_TOP_DP: length 127
  TOP w0.099: J14.2 205.05,58.49 205.05,60.66 204.67,62.79 204.75,62.9 205.75,63.08 205.99,63.43 205.97,63.58 205.97,63.57 205.83,64.38 205.47,64.62 203.83,64.33 203.71,64.41 203.6,65.07 203.68,65.19 206.28,65.64 206.52,66 206.36,66.94 206,67.19 203.86,66.81 203.75,66.89 203.63,67.55 203.71,67.66 206.28,68.12 206.53,68.47 206.36,69.42 206.01,69.66 203.82,69.28 203.7,69.36 203.59,70.01 203.67,70.13 206.24,70.58 206.49,70.94 206.32,71.88 205.97,72.13 203.85,71.76 203.73,71.84 203.62,72.49 203.7,72.61 206.29,73.06 206.53,73.42 206.37,74.36 206.01,74.61 203.82,74.22 203.7,74.3 203.59,74.96 203.67,75.07 206.25,75.53 206.5,75.88 206.33,76.83 205.98,77.08 203.82,76.7 203.7,76.78 203.59,77.43 203.67,77.55 206.26,78 206.51,78.36 206.34,79.3 205.99,79.55 203.82,79.17 203.7,79.25 203.59,79.9 203.67,80.02 206.27,80.48 206.52,80.83 206.35,81.78 206,82.03 203.81,81.64 203.69,81.72 203.58,82.38 203.66,82.49 206.24,82.95 206.49,83.3 206.32,84.25 205.97,84.49 203.82,84.11 203.71,84.2 203.59,84.85 203.67,84.97 206.27,85.42 206.52,85.78 206.35,86.72 206,86.97 203.82,86.59 203.71,86.67 203.59,87.32 203.67,87.44 206.3,87.9 206.55,88.26 206.38,89.2 206.02,89.45 203.81,89.06 203.7,89.14 203.58,89.79 203.66,89.91 206.28,90.37 206.53,90.72 206.36,91.67 206.01,91.92 203.81,91.53 203.69,91.61 203.58,92.27 203.66,92.38 206.22,92.83 206.47,93.19 206.3,94.13 205.95,94.38 203.82,94.01 203.71,94.09 203.59,94.74 203.67,94.86 206.3,95.32 206.55,95.67 206.38,96.62 206.03,96.87 203.81,96.48 203.69,96.56 203.58,97.21 203.66,97.33 206.3,97.79 206.55,98.15 206.39,99.09 206.03,99.34 203.82,98.95 203.71,99.03 203.59,99.69 203.67,99.8 206.27,100.26 206.52,100.61 206.36,101.56 206,101.81 205.38,101.7 205.27,101.78 205.05,102.98 205.05,106.04 J20.1
DELTA_L_85_10INCH_BOT_DN: length 254
  BOTTOM w0.099: J24.1 215.58,300.61 215.58,297.54 215.43,296.69 215.68,296.33 217.51,296.01 217.59,295.9 217.48,295.24 217.36,295.16 213.58,295.83 213.23,295.58 213.06,294.63 213.31,294.28 217.97,293.46 218.05,293.34 217.94,292.69 217.82,292.61 213.59,293.35 213.23,293.1 213.07,292.16 213.32,291.81 218.01,290.98 218.09,290.86 217.97,290.21 217.86,290.13 213.58,290.88 213.23,290.63 213.06,289.69 213.31,289.33 217.98,288.51 218.06,288.4 217.94,287.74 217.83,287.66 213.57,288.41 213.22,288.16 213.05,287.22 213.3,286.86 217.98,286.04 218.07,285.92 217.95,285.27 217.83,285.19 213.61,285.93 213.26,285.68 213.09,284.74 213.34,284.38 217.97,283.57 218.05,283.45 217.94,282.79 217.82,282.71 213.6,283.46 213.25,283.21 213.08,282.27 213.33,281.91 217.99,281.09 218.07,280.98 217.95,280.32 217.84,280.24 213.56,280.99 213.2,280.75 213.04,279.8 213.29,279.45 217.99,278.62 218.07,278.5 217.95,277.85 217.84,277.77 213.59,278.52 213.24,278.27 213.07,277.32 213.32,276.97 218.01,276.14 218.09,276.03 217.98,275.37 217.86,275.29 213.59,276.04 213.23,275.8 213.07,274.85 213.31,274.5 217.97,273.68 218.05,273.56 217.94,272.9 217.82,272.82 213.59,273.57 213.24,273.32 213.07,272.38 213.32,272.02 217.99,271.2 218.07,271.09 217.95,270.43 217.84,270.35 213.59,271.1 213.23,270.85 213.07,269.91 213.32,269.55 218.02,268.72 218.1,268.61 217.99,267.95 217.87,267.87 213.54,268.63 213.19,268.39 213.02,267.44 213.27,267.09 218.02,266.25 218.1,266.14 217.98,265.48 217.87,265.4 213.55,266.16 213.19,265.91 213.02,264.97 213.27,264.61 217.98,263.78 218.06,263.67 217.94,263.01 217.83,262.93 213.55,263.69 213.19,263.44 213.03,262.5 213.27,262.14 218,261.31 218.08,261.19 217.96,260.54 217.85,260.46 213.56,261.21 213.21,260.96 213.04,260.02 213.29,259.67 218.03,258.83 218.11,258.72 217.99,258.06 217.88,257.98 213.59,258.74 213.23,258.49 213.07,257.54 213.31,257.19 218,256.36 218.08,256.25 218.03,255.92 218.03,255.92 217.97,255.59 217.85,255.51 213.55,256.27 213.2,256.02 213.03,255.08 213.28,254.72 218.03,253.88 218.11,253.77 218,253.11 217.88,253.03 213.57,253.79 213.21,253.55 213.05,252.6 213.29,252.25 217.99,251.42 218.07,251.31 217.95,250.65 217.84,250.57 213.6,251.32 213.24,251.07 213.08,250.12 213.33,249.77 217.98,248.95 218.06,248.83 217.95,248.18 217.83,248.1 213.56,248.85 213.2,248.6 213.04,247.66 213.29,247.3 218.01,246.47 218.09,246.36 217.98,245.7 217.86,245.62 215.05,246.11 214.69,245.87 214.53,244.92 214.77,244.57 215.17,244.5 215.57,244.1 215.57,240.81 J30.2
DELTA_L_85_10INCH_BOT_DP: length 254
  BOTTOM w0.099: J24.2 215.93,300.61 215.93,297.51 215.8,296.77 215.88,296.66 217.72,296.33 217.97,295.98 217.8,295.03 217.45,294.79 213.67,295.45 213.55,295.37 213.43,294.72 213.51,294.6 218.18,293.78 218.42,293.43 218.26,292.48 217.9,292.23 213.67,292.98 213.56,292.9 213.44,292.24 213.52,292.13 218.21,291.3 218.46,290.95 218.29,290 217.94,289.75 213.67,290.51 213.55,290.43 213.44,289.77 213.52,289.66 218.18,288.83 218.43,288.48 218.27,287.53 217.91,287.29 213.66,288.04 213.54,287.96 213.43,287.3 213.51,287.19 218.19,286.36 218.44,286.01 218.27,285.06 217.92,284.81 213.69,285.56 213.58,285.48 213.46,284.82 213.54,284.71 218.18,283.89 218.43,283.53 218.26,282.59 217.91,282.34 213.68,283.09 213.57,283.01 213.45,282.35 213.53,282.24 218.2,281.41 218.44,281.06 218.28,280.11 217.92,279.87 213.64,280.62 213.53,280.54 213.41,279.88 213.49,279.77 218.19,278.94 218.44,278.59 218.27,277.64 217.92,277.39 213.68,278.14 213.56,278.06 213.44,277.41 213.52,277.29 218.22,276.46 218.47,276.11 218.3,275.16 217.95,274.92 213.67,275.67 213.55,275.59 213.44,274.93 213.52,274.82 218.18,274 218.42,273.65 218.26,272.7 217.9,272.45 213.67,273.2 213.56,273.12 213.44,272.46 213.52,272.35 218.19,271.52 218.44,271.17 218.28,270.22 217.92,269.98 213.67,270.73 213.56,270.64 213.44,269.99 213.52,269.87 218.23,269.04 218.48,268.69 218.31,267.75 217.96,267.5 213.62,268.26 213.51,268.18 213.39,267.52 213.47,267.41 218.22,266.57 218.47,266.22 218.31,265.27 217.95,265.03 213.63,265.79 213.51,265.71 213.4,265.05 213.48,264.94 218.18,264.11 218.43,263.75 218.27,262.81 217.91,262.56 213.63,263.31 213.52,263.23 213.4,262.58 213.48,262.46 218.2,261.63 218.45,261.28 218.28,260.33 217.93,260.08 213.65,260.84 213.53,260.76 213.42,260.1 213.5,259.99 218.23,259.15 218.48,258.8 218.32,257.85 217.96,257.61 213.67,258.36 213.55,258.28 213.44,257.63 213.52,257.51 218.21,256.68 218.46,256.33 218.29,255.39 217.94,255.14 213.63,255.9 213.52,255.82 213.4,255.16 213.48,255.05 218.24,254.21 218.49,253.85 218.32,252.91 217.97,252.66 213.65,253.42 213.53,253.34 213.42,252.68 213.5,252.57 218.19,251.74 218.44,251.39 218.27,250.44 217.92,250.19 213.68,250.94 213.57,250.86 213.45,250.21 213.53,250.09 218.19,249.27 218.44,248.92 218.27,247.97 217.91,247.72 213.64,248.48 213.53,248.4 213.41,247.74 213.49,247.63 218.22,246.79 218.47,246.44 218.3,245.49 217.95,245.25 215.13,245.74 215.02,245.66 214.96,245.33 214.9,245.01 214.98,244.89 215.35,244.83 215.93,244.24 215.93,240.82 J30.1
